# Altium PCB pad_power.PcbDoc
Units mil, origin at the board's own origin, x right, y up, seen from the top; angles counter-clockwise.
Board outline 3937.01 x 3937.01 mil, 2 copper layers (Top Layer, Bottom Layer); 108 components, 54 nets, 270 pads, 169 vias.
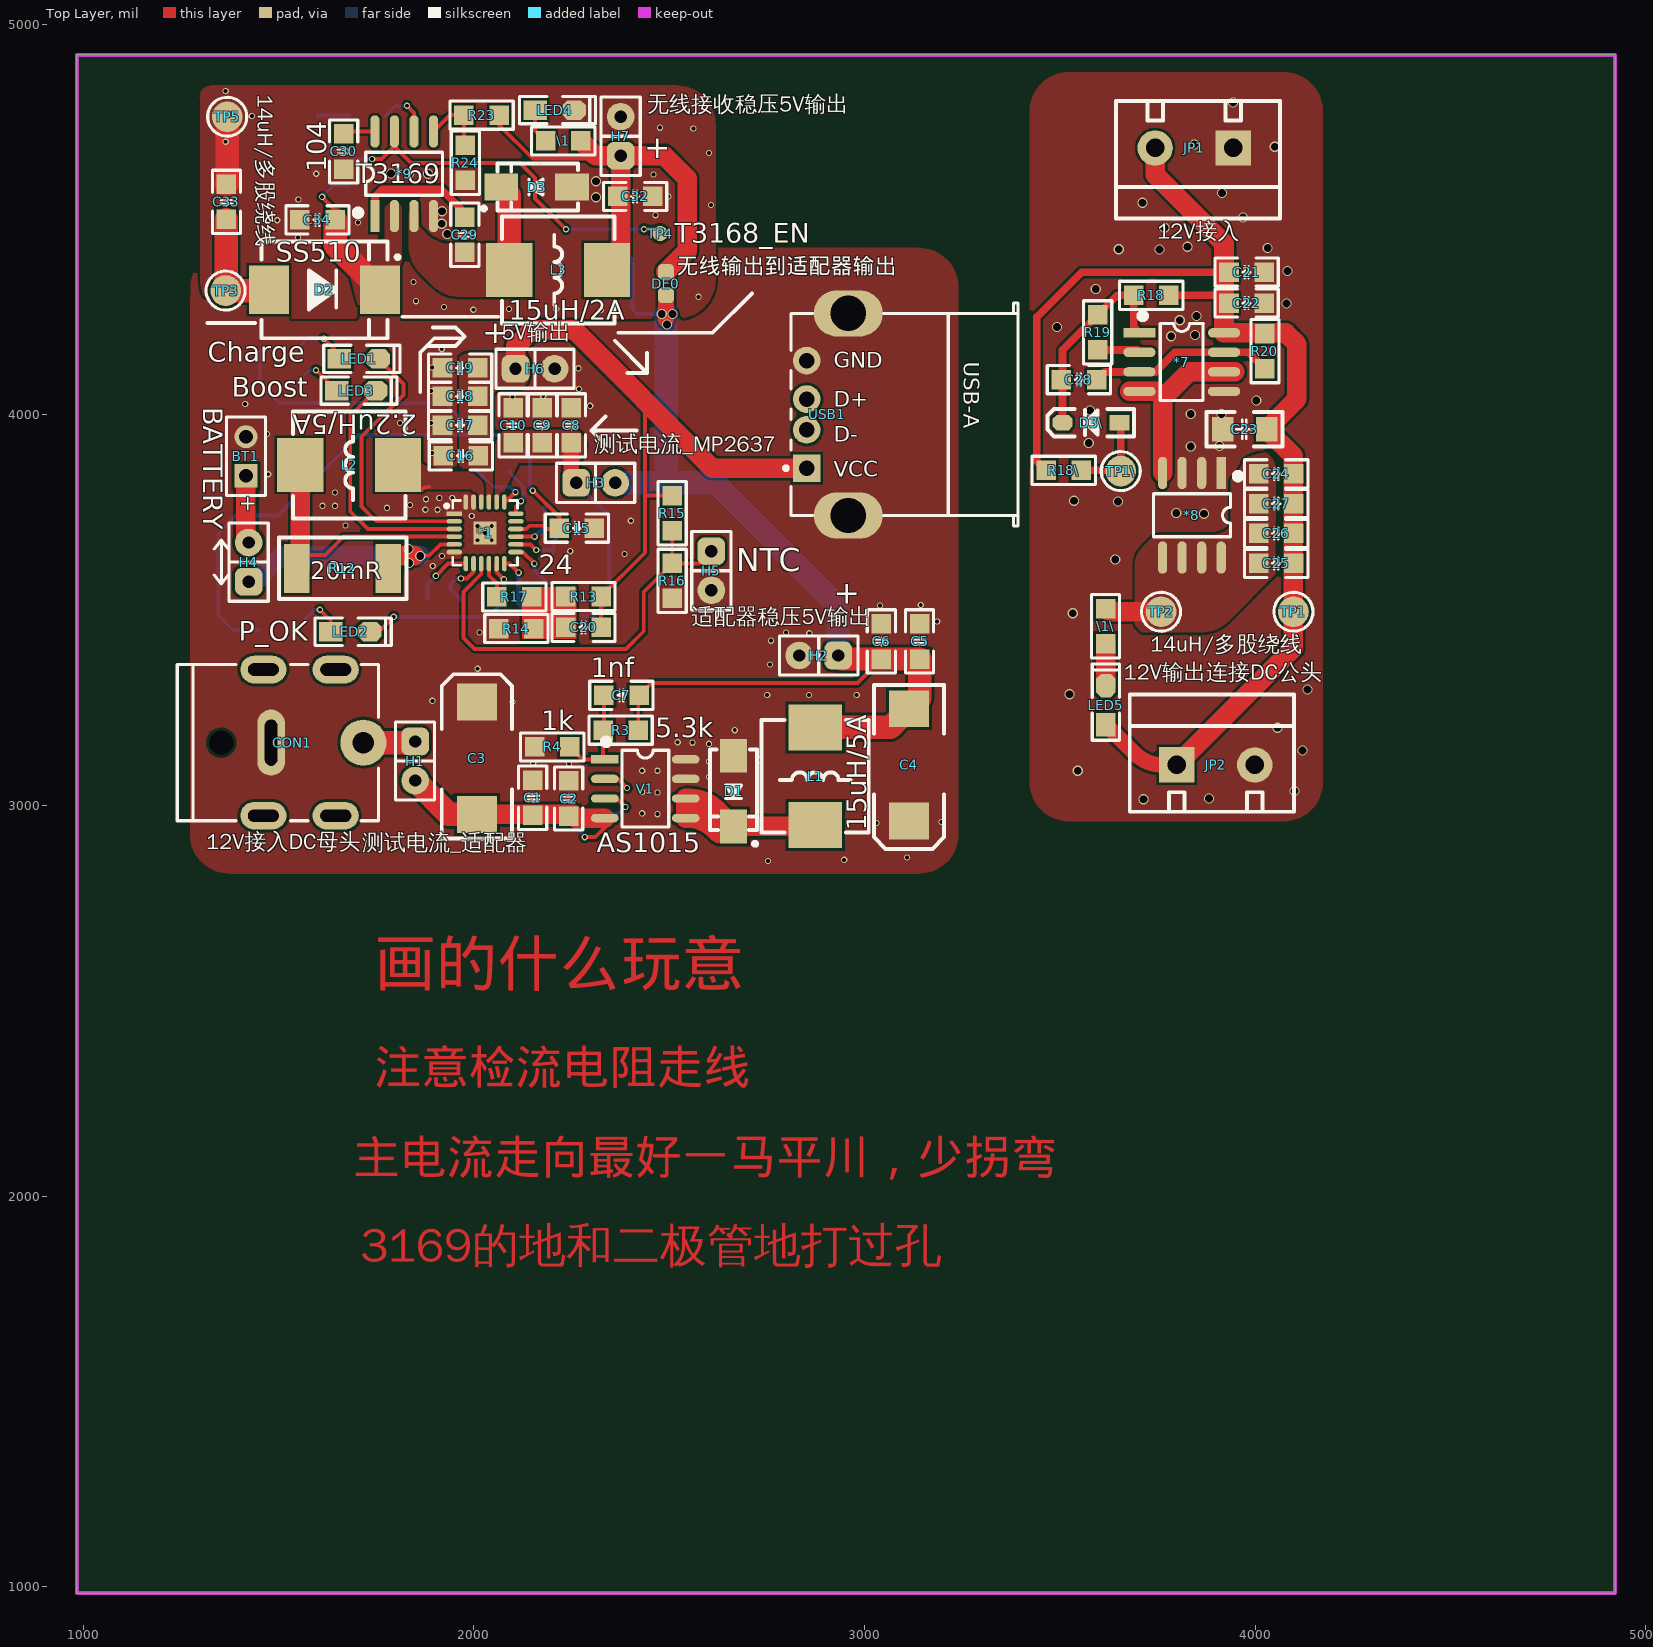
[diagram p0: Top Layer view]
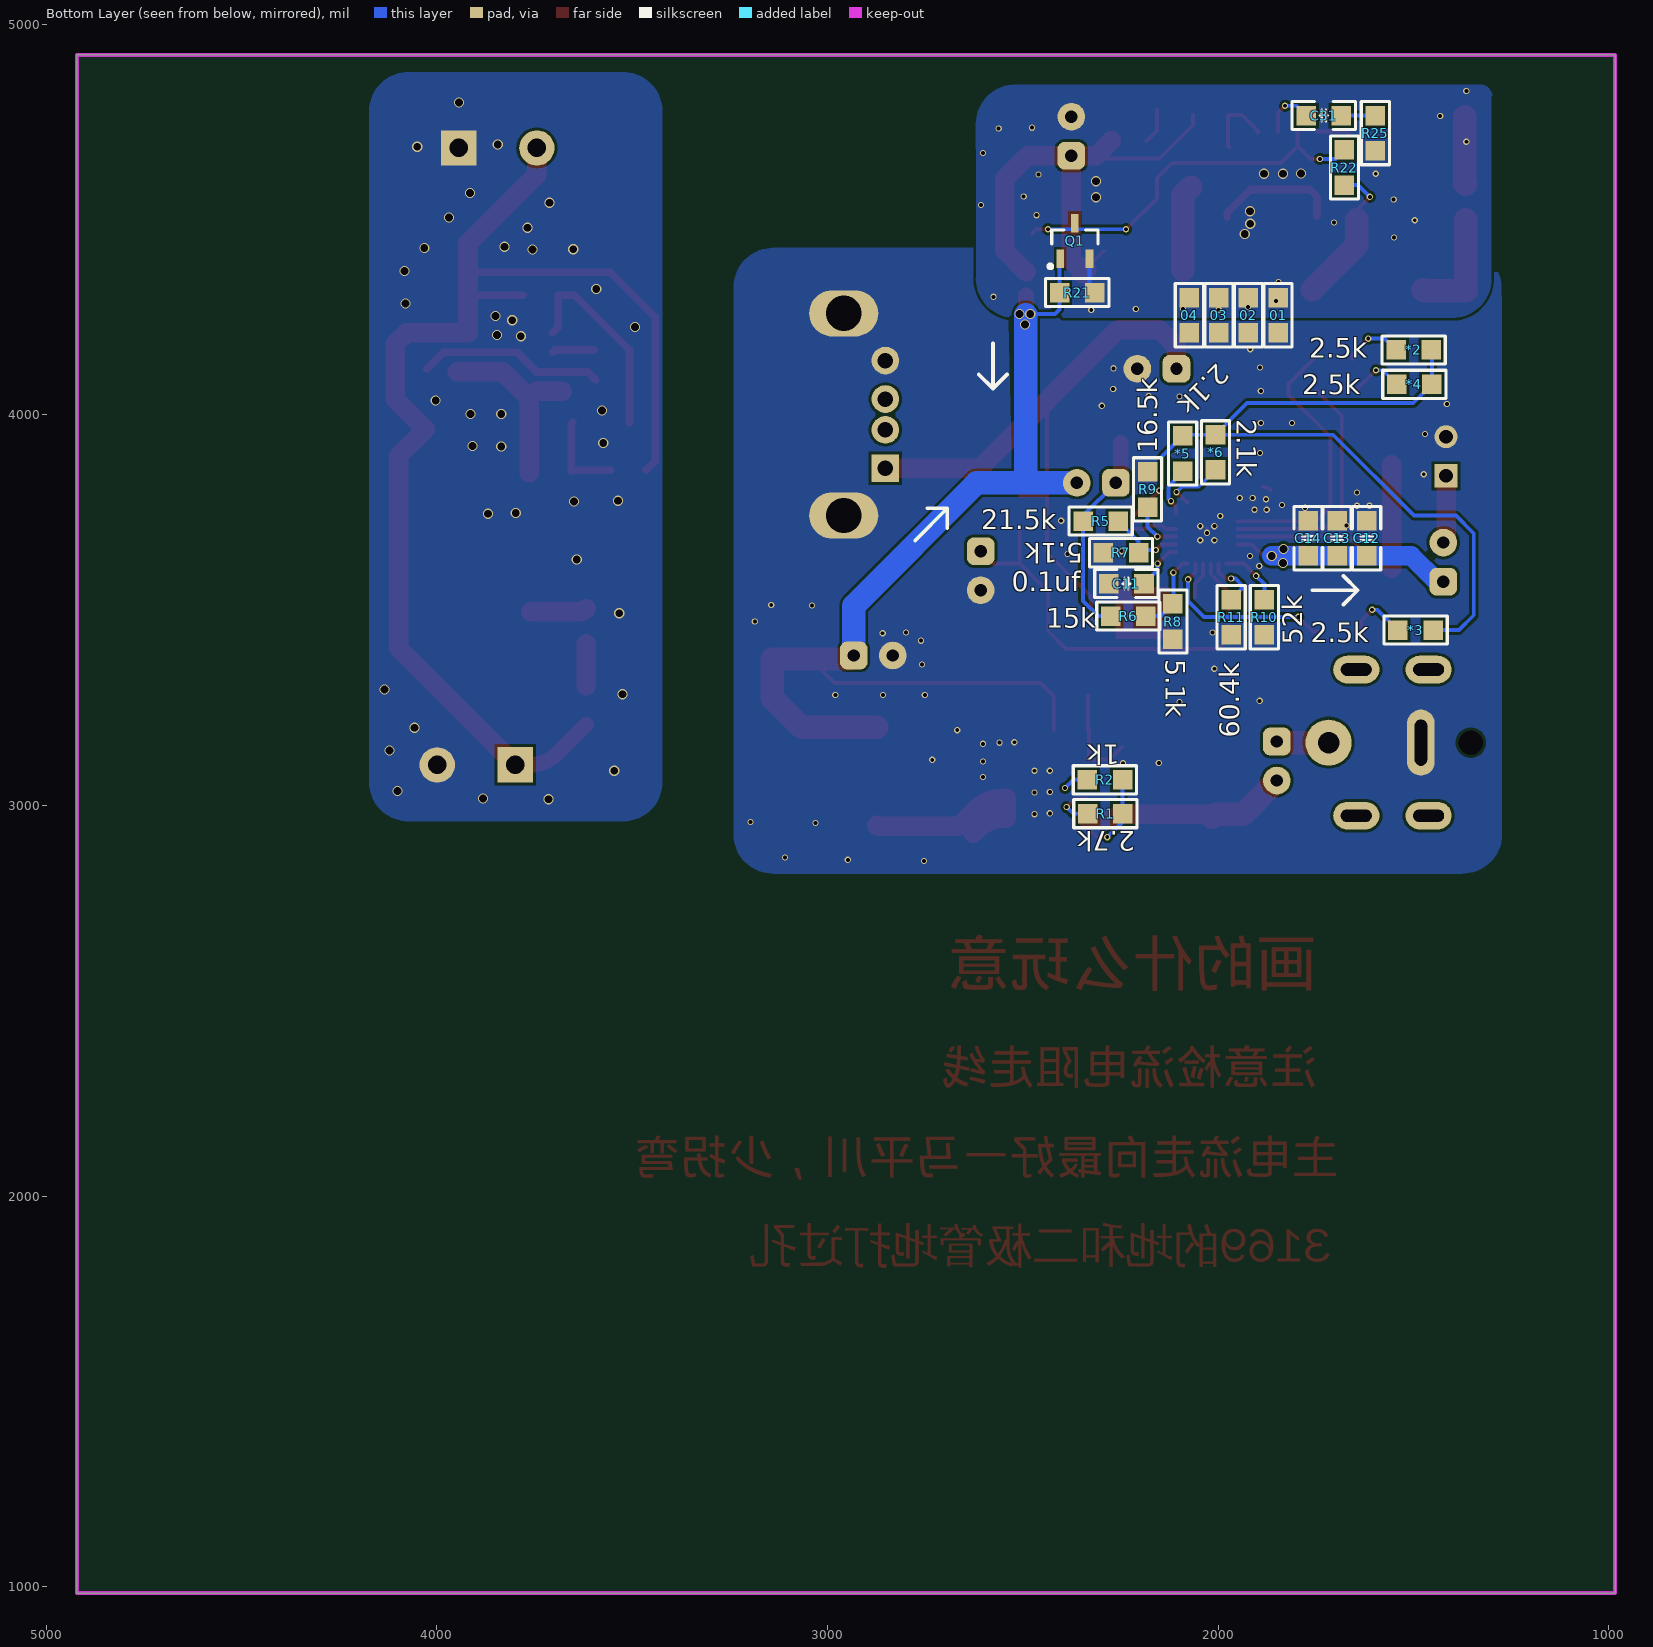
[diagram p1: Bottom Layer view, seen from below]

## Layer stack, top to bottom
Top Layer: signal copper 1.4
Dielectric: dielectric 12.6, FR-4, Dk 4.8
Bottom Layer: signal copper 1.4

## Board outline
984.25,984.25 984.25,4921.26 4921.26,4921.26 4921.26,984.25

## Design rules (kind name [scope] priority, off if disabled: settings)
Clearance [All] p1: gap=7
MinimumSolderMaskSliver [All] p1: minsoldermaskwidth=7
PlaneClearance [All] p1: clearance=10
PlaneConnect [All] p1: planeconnectstyle=Direct reliefexpansion=20 reliefentries=4 reliefconductorwidth=10 reliefairgap=10
PolygonConnect [All] p1: connectstyle=Direct reliefconductorwidth=10 reliefentries=4 polygonreliefangle="90 Angle"
RoutingVias [All] p1: holewidth=196.85 width=19.68 viastyle="Through Hole" minholewidth=10 minwidth=16 maxholewidth=118.11 maxwidth=19.68
SilkToSilkClearance [All] p1 off: silktosilkclearance=10
SilkscreenOverComponentPads [All] p1: minsilkscreentomaskgap=10
SolderMaskExpansion [All] p1: expansion=7
Width [All] p1: maxlimit=100 minlimit=10 preferedwidth=10
23 further rules are at their usual default settings.

## Classes and differential pairs
component class 无线接收端: 01 02 03 04 *9 \1 C29 C30 C31 C32 C33 C34 D2 D3 DE0 H7 L3 LED4 Q1 R21 R22 R23 R24 R25 TP3 TP4 TP5
component class MP2637: *1 *2 *3 *4 *5 *6 BT1 C1 C2 C3 C4 C5 C6 C7 C8 C9 C10 C11 C12 C13 C14 C15 C16 C17 C18 C19 C20 CON1 D1 H1 H2 H3 H4 H5 H6 L1 L2 LED1 LED2 LED3 R1 R2 R3 R4 R5 R6 R7 R8 R9 R10 R11 R12 R13 R14 R15 R16 R17 USB1 V1
component class 12V适配器部分_无线发射端: *7 *8 \1\ C21 C22 C23 C24 C25 C26 C27 C28 D3\ JP1 JP2 LED5 R18 R18\ R19 R20 TP1 TP1\ TP2

## Components (designator, comment, footprint, x,y, rotation, side; value= is the part's Value field where it differs from the comment)
01 "0R" "R 0805_M" 1847,4255 r270 bottom
02 "0R" "R 0805_M" 1922.67,4255 r270 bottom
03 "0R" "R 0805_M" 1998.33,4255 r270 bottom
04 "0R" "R 0805_M" 2074,4255 r270 bottom
*1 "24" "QFN24 4X4_M" 2029,3698 r270 top
*2 "2.5k" "R 0805_M" 1500,4166 r180 bottom
*3 "2.5k" "R 0805_M" 1495,3449 r180 bottom
*4 "2.5k" "R 0805_M" 1498,4078 r180 bottom
*5 "2.1k" "R 0805_M" 2091,3901 r270 bottom
*6 "2.1k" "R 0805_M" 2007,3904 r270 bottom
*7 "XKT412" SOP8_M 3812,4135 r0 top
*8 "XKT335" SOP8_M 3838,3743 r270 top
*9 "T3169" SOP8_M 1822,4617 r90 top
\1 "1k" "R 0805_M" 2229,4701 r0 top
\1\ "3.3k" "R 0805_M" 3617,3459 r270 top
BT1 "BATTERY" BAT-2 1417,3894 r90 top
C1 "10uf" "C 0805_M" 2151,3020 r270 top
C2 "0.1uf" "C 0805_M" 2243,3018 r270 top
C3 "220uf/16V typeD" "CD D(7343)" 2008,3121 r270 top
C4 "220uf/16V" "CD D(7343)" 3114,3104 r90 top
C5 "10uf" "C 0805_M" 3141,3420 r270 top
C6 "0.1uf" "C 0805_M" 3043,3420 r270 top
C7 "1nf" "C 0805_M" 2378,3282 r180 top
C8 "22uf" "C 0805_M" 2250,3973 r270 top
C9 "22uf" "C 0805_M" 2175.5,3973 r270 top
C10 "10uf" "C 0805_M" 2101,3973 r270 top
C11 "0.1uf" "C 0805_M" 2235,3568 r180 bottom
C12 "22uf" "C 0805_M" 1620,3684 r270 bottom
C13 "22uf" "C 0805_M" 1696,3684 r270 bottom
C14 "10uf" "C 0805_M" 1770,3684 r270 bottom
C15 "47nf" "C 0805_M" 2264,3710 r180 top
C16 "10uf" "C 0805_M" 1967,3895 r0 top
C17 "22uf" "C 0805_M" 1965,3973 r0 top
C18 "22uf" "C 0805_M" 1965,4047 r0 top
C19 "0.1uf" "C 0805_M" 1965,4120 r0 top
C20 "120pf" "C 0805_M" 2281,3456 r180 top
C21 "10uf" "C 0805_M" 3978,4365 r180 top
C22 "0.1uf" "C 0805_M" 3978,4286 r180 top
C23 "47uf/16V" "C 1206_L" 3972,3963 r0 top
C24 "393" "C 0805_M" 4054,3849 r0 top
C25 "393" "C 0805_M" 4054,3620 r0 top
C26 "393" "C 0805_M" 4054,3696.33 r0 top
C27 "393" "C 0805_M" 4054,3772.67 r0 top
C28 "1nf" "C 0805_M" 3549,4090 r180 top
C29 "10NF" "C 0805_M" 1977,4461 r90 top
C30 "104" "C 0805_M" 1667,4674 r90 top
C31 "3.3NF" "C 0805_M" 1730,4766 r0 bottom
C32 "22ufF/25V" "C 0805_M" 2413,4559 r180 top
C33 "39NF/50VNPO" "C 0805_M" 1367,4545 r270 top
C34 "10uF/25V" "C 0805_M" 1600,4499 r0 top
CON1 "12V接入DC母头" DC-005P 1501,3161 r270 top
D1 "SS34" SMA 2665,3037 r270 top
D2 "SS510" SMC 1618,4320 r0 top
D3 "SS34" SMA 2161,4583 r180 top
D3\ "4148" SOD-123F 3580,3980 r180 top
DE0 "无线输出到适配器输出" DEBUG_B 2492,4336 r270 top
H1 "测试电流_适配器" PAD2-2.54 1850,3164 r270 top
H2 "适配器稳压5V输出" PAD2-2.54 2933,3384 r180 top
H3 "测试电流_MP2637" PAD2-2.54 2262,3826 r0 top
H4 "测试充电电流" PAD2-2.54 1424,3573 r90 top
H5 "NTC:NCP18XH103" PAD2-2.54 2608,3651 r270 top
H6 "5V输出" PAD2-2.54 2107,4118 r0 top
H7 "无线接收稳压5V输出" PAD2-2.54 2376,4663 r90 top
JP1 "12V接入" KF301-5.0-2P 3744,4683 r180 top
JP2 "12V输出连接DC公头" KF301-5.0-2P 3999,3104 r0 top
L1 "15uH/5A" L-SMD-0630 2874,3075 r90 top
L2 "2.2uH/5A" L-SMD-0630 1681,3872 r180 top
L3 "15uH/2A" L-SMD-0630 2216,4371 r0 top
LED1 "Charge" "LED 0805G" 1706,4143 r0 top
LED2 "P_OK" "LED 0805G" 1684,3445 r0 top
LED3 "Boost" "LED 0805G" 1699,4062 r0 top
LED4 "WireLess_on" "LED 0805G" 2207,4780 r0 top
LED5 "WireLess_on" "LED 0805G" 3618,3257 r90 top
Q1 "SI2302" SOT23-3N 2367,4445 r180 bottom
R1 "2.7k" "R 0805_M" 2289,2979 r0 bottom
R2 "1k" "R 0805_M" 2290,3066 r0 bottom
R3 "5.3k" "R 0805_M" 2376,3193 r180 top
R4 "1k" "R 0805_M" 2201,3150 r180 top
R5 "21.5k" "R 0805_M" 2301,3728 r180 bottom
R6 "15k" "R 0805_M" 2230,3485 r180 bottom
R7 "5.1k" "R 0805_M" 2249,3647 r0 bottom
R8 "5.1k" "R 0805_M" 2116,3471 r270 bottom
R9 "16.5k" "R 0805_M" 2181,3809 r90 bottom
R10 "52k" "R 0805_M" 1882,3482 r90 bottom
R11 "60.4k" "R 0805_M" 1967,3482 r90 bottom
R12 "20mR" "R 2512-HP_L" 1663,3607 r0 top
R13 "31.6k" "R 0805_M" 2281,3535 r180 top
R14 "10k" "R 0805_M" 2109,3453 r180 top
R15 "6.65k" "R 0805_M" 2508,3748 r270 top
R16 "25.5k" "R 0805_M" 2508,3575 r270 top
R17 "0R" "R 0805_M" 2104,3534 r0 top
R18 "47k" "R 0805_M" 3734,4306 r180 top
R18\ "10k" "R 0805_M" 3510,3858 r0 top
R19 "7.87k" "R 0805_M" 3597,4211 r270 top
R20 "47k" "R 0805_M" 4025,4163 r270 top
R21 "10k" "R 0805_M" 2361,4313 r180 bottom
R22 "100k" "R 0805_M" 1677,4633 r270 bottom
R23 "44.2k" "R 0805_M" 2020,4767 r180 top
R24 "10k" "R 0805_M" 1978.5,4645 r270 top
R25 "6.8k" "R 0805_M" 1598,4721 r90 bottom
TP1 "14uH/多股绕线" "TEST 2.0" 4098,3496 r90 top
TP1\ "失效" "TEST 2.0" 3656,3856 r90 top
TP2 "14uH/多股绕线" "TEST 2.0" 3759,3496 r0 top
TP3 "14uH/多股绕线" "TEST 2.0" 1365,4318 r90 top
TP4 "T3168_EN" "TEST 1" 2477,4464 r90 top
TP5 "14uH/多股绕线" "TEST 2.0" 1369,4763 r270 top
USB1 "USB" USB-A/S_A 2852,4001 r0 top
V1 "AS1015" SOP8_N 2439,3043 r0 top

## Footprints (in the part's own frame and the unit in brackets; to place one, negate y for a bottom-side part, rotate by r counter-clockwise, add the part's x,y. Pads: shape width x height; smd on the part's side, far side on the other; paste and mask are expansions set on the pad)
BAT-2 [mm] "Multicell Battery; 2 Leads"
  rect 1.5x1.5 hole 0.9: 1(-1.27,0)
  round 1.5 hole 0.9: 2(1.27,0)
  silkscreen extent -2.54,-1.27 2.54,1.27
"C 0805_M" [mil]
  rect 50x50 smd: 1(-45,0) 2(45,0)
  silkscreen extent -81,-36 81,36, body extent -39,-24 39,24, height 20
"C 1206_L" [mil]
  rect 55x62 smd: 1(-55.12,0) 2(57.09,0)
  silkscreen extent -96,-44 98,44, body extent -63,-32 63,32, height 48
"CD D(7343)" [mm]
  rect 2.4x2.6 smd: 1(-3.65,0) 2(3.65,0)
  silkscreen extent -5.46,-2.29 5.21,2.29, body extent -3.65,-2.15 3.65,2.15, height 2.8
DC-005P [mm]
  oval 1.8x3 hole 0.8 slot 2 at 90 deg unplated: 0(-4.75,3.7) 0(-4.75,-1) 0(4.75,3.7) 0(4.75,-1)
  round 3 hole 1.4 unplated: 1(0,5.5)
  oval 4.3x1.8 hole 0.8 slot 3 at 0 deg unplated: 2(0,-0.5)
  round 0 hole 1.6 unplated: 4(0,-3.75)
  silkscreen extent -5.08,-6.6 5.08,6.48, body extent -5,-6.5 5,6.3, height 10.15
DEBUG_B [mil]
  rrect50% 40x40 smd paste+0 mask+0: 1(-30,0) 2(30,0)
KF301-5.0-2P [mm]
  rect 2.3x2.3 hole 1.2: 1(-5.08,0)
  round 2.3 hole 1.2: 2(0,0)
  silkscreen extent -8.13,-3.05 2.54,4.57, body extent -7.95,-3 2.55,4.6, height 10.05
L-SMD-0630 [mm]
  rect 3x3.5 smd: 1(-3.175,0) 2(3.175,0)
  silkscreen extent -3.66,-3.48 3.66,3.48, body extent -3.47,-3.3 3.47,3.3, height 3.05
"LED 0805G" [mil]
  rect 60x50 smd: 1(-50,0)
  oct 60x50 smd: 2(50,0)
  silkscreen extent -90,-35 105,35, body extent -39,-25 39,25, height 32
PAD2-2.54 [mm]
  rrect50% 1.8x1.8 hole 0.8: 1(0,0)
  round 1.8 hole 0.8: 2(2.54,0)
  silkscreen extent -1.27,-1.27 3.81,1.27
"QFN24 4X4_M" [mm] "24脚，长"
  rect 0.3x1 smd: 1(-1.25,-2)
  oval 0.3x1 smd: 2(-0.75,-2) 3(-0.25,-2) 4(0.25,-2) 5(0.75,-2) 6(1.25,-2) 13(1.25,2) 14(0.75,2) 15(0.25,2) 16(-0.25,2) 17(-0.75,2) 18(-1.25,2)
  oval 1x0.3 smd: 7(2,-1.25) 8(2,-0.75) 9(2,-0.25) 10(2,0.25) 11(2,0.75) 12(2,1.25) 19(-2,1.25) 20(-2,0.75) 21(-2,0.25) 22(-2,-0.25) 23(-2,-0.75) 24(-2,-1.25)
  rect 1.5x1.5 smd: 25(0,0)
  silkscreen extent -2.11,-2.6 2.11,2.11, body extent -2.01,-2.01 2.01,2.01, height 0.95
"R 0805_M" [mil]
  rect 50x50 smd: 1(-45,0) 2(45,0)
  silkscreen extent -81,-36 81,36, body extent -39,-25 39,25, height 20
"R 2512-HP_L" [mm]
  rect 1.65x3.2 smd: 1(-2.95,0) 2(3,0)
  silkscreen extent -4.1,-2 4.2,2, body extent -3.2,-1.6 3.2,1.6, height 0.55
SMA [mm]
  rect 2.2x1.75 smd: 1(-2.3,0) 2(2.3,0)
  silkscreen extent -2.7,-1.52 3.56,1.52, body extent -2.53,-1.3 2.58,1.3, height 2.15
SMC [mm]
  rect 2.6x3.15 smd: 1(-3.6,0) 2(3.6,0)
  silkscreen extent -4.1,-3.15 4.88,3.15, body extent -3.95,-2.9 3.95,2.9, height 2.45
SOD-123F [mm]
  rect 1.3x1 smd: 1(-1.85,0)
  oct 1.3x1 smd: 2(1.85,0)
  silkscreen extent -2.79,-0.89 2.84,0.89, body extent -1.9,-0.8 1.9,0.8, height 1.15
SOP8_M [mm]
  rect 2.1x0.6 smd: 1(-2.75,1.905)
  oval 2.1x0.6 smd: 2(-2.75,0.635) 3(-2.75,-0.635) 4(-2.75,-1.905) 5(2.75,-1.905) 6(2.75,-0.635) 7(2.75,0.635) 8(2.75,1.905)
  silkscreen extent -2.69,-2.5 1.4,3.15, body extent -3,-2.5 3,2.5, height 1.9
SOP8_N [mm]
  rect 1.8x0.55 smd: 1(-2.625,1.905)
  oval 1.8x0.55 smd: 2(-2.625,0.635) 3(-2.625,-0.635) 4(-2.625,-1.905) 5(2.625,-1.905) 6(2.625,-0.635) 7(2.625,0.635) 8(2.625,1.905)
  silkscreen extent -2.69,-2.5 1.52,3.2, body extent -3,-2.5 3,2.5, height 1.9
SOT23-3N [mm]
  rect 0.5x1.2 smd: 1(-0.95,-1.143) 2(0.95,-1.143) 3(0,1.143)
  silkscreen extent -1.73,-1.78 1.5,0.7, body extent -1.5,-1.2 1.5,1.2, height 1.05
"TEST 1" [mm]
  round 1 smd paste-1: 1(0,0)
"TEST 2.0" [mm]
  round 2 smd paste-2: 1(0,0)
  silkscreen extent -1.27,-1.27 1.27,1.27
USB-A/S_A [mm]
  rect 1.8x1.8 hole 1: 1(0,-3.5)
  round 1.8 hole 1: 2(0,-1) 3(0,1) 4(0,3.5)
  oval 4.5x3 hole 2.3: 4(2.71,-6.57) 4(2.71,6.57)
  silkscreen extent -1.47,-7.25 13.75,7.25, body extent -0.61,-7.34 13.7,7.34, height 6.8

## Part data
BT1: "Multicell Battery"
LED1 LED2 LED3: library part LED-SMD, "贴片"

## Free pads (board coordinates)
  round 50 on Top Solder paste+0 mask+0: ""(2557,4070)
  oct 35x35 on Top Solder paste+0 mask+2: ""(2582,4136)
  oct 35x35 on Top Solder mask+2: ""(2643,4151)

## Via types
v1: diameter 16, hole 10, Top Layer to Bottom Layer, tented both sides, 115 vias
v2: diameter 26, hole 20, Top Layer to Bottom Layer, tented both sides, 54 vias

## Nets (pads, with @x,y where several pads share a name; then routed paths per layer and width w, separated by ;. In a path a pad name is that pad's centre, name@x,y a point inside that pad or via, vN(x,y) a via of type N, cw(c..) or ccw(c..) an arc to the next point about the centre after c; other vN are vias at no path point)
ACOK: *1.11 LED2.2 | length 478.6
  Top Layer w10: LED2.2 1757,3445 v1(1795,3483) ; *1.11 2058.53,3597.47 v1(2077,3579)
  Bottom Layer w10: v1(1795,3483) 2036,3483 2077,3524 v1(2077,3579)
ADAPTER_GND: *7.5 *8.1 *8.2 *8.3 C21.1 C22.1 C23.1 JP1.1 JP2.2
  other v2: 3714,3016 3882,3018 4101,3037 3546,3089 4121,3141 4057,3199 3525,3285 4134,3297 3533,3492 3642,3630 3869,3747 3798,3749 3649,3778 3536,3780 3835,3919 3909,3920 3574,3928 3835,4002 3914,4002 3577,4011 4003,4037 3785,4201 3846,4204 3493,4225 3807,4242 3850,4253 4080,4285 3592,4322 4083,4368 3755,4423 3651,4424 4032,4427 3827,4430 3768,4479 3969,4505 3712,4543 3915,4568 4050,4686 3844,4692 3943,4799
AGND: 01.2 02.2 03.2 04.2 *1.1 *1.6 *1.23 *1.24 *1.25 BT1.2 C1.1 C2.1 C3.1 C4.1 C5.1 C6.1 C8.1 C9.1 C10.1 C11.1 C12.1 C13.1 C14.1 C15.1 C16.1 C17.1 C18.1 C19.1 CON1.2 D1.1 H2.2 H5.2 H6.2 R4.2 R7.2 R8.2 R9.2 R10.1 R11.1 R14.2 R16.2 USB1.4 V1.7 V1.8 | length 11
  Top Layer w10: v1(2029,3698) *1.25@2029,3709
  other v1: 2753,2858 2948,2861 3109,2867 3031,2955 3197,2958 2470,2978 2431,2980 2431,3034.5 2470,3033.5 2602,3073 2431,3089 2470,3089 2244,3108 2152,3109 2602,3113 2732,3117 2602,3158 2560,3161 2522,3162 2668,3193 2099,3265 1894,3268 2751,3283 2858,3283 2980,3283 2010,3350 2758,3361 2761,3422 2859,3441 2015,3443 2799,3443 3186,3471 3040,3512 3144,3513 1895,3613 1919,3639 2386,3644 2247,3651 2010,3679 2046,3679 2010,3715 2046,3715 1672,3717 2402,3729 1995,3741 1876,3757 1907,3757 1778,3762 1613,3767 1645,3767 1837,3769 1878,3784 1912,3787 1945,3787 1645,3801 1474,3848 1893,3902 1471,3951 1811,3979 1891,3979 2298,4023 1415,4028 2099,4047 2178,4048 1891,4061 2269,4066 2268,4119 1893,4121 1918,4168
BATT: *1.5 C12.2 C13.2 C14.2 H4.1 R12.2 | length 647.5
  Top Layer w10: 1848,3640 1886,3640 1914.47,3668.47 *1.5
  Top Layer w50: R12.2@1781.11,3641 1845.59,3641 cw(c1845.59,3637.59) 1848,3640
  Bottom Layer w50: H4.1 1440,3573 1506,3639 C12.2 v2(1863,3639)
  other v2: 1834,3621 1833,3657
BOOST: *1.3 LED3.2 | length 620.9
  Top Layer w10: LED3.2 1684,3997 1684,3753 1729.16,3707.84 *1.3
CHG: *1.2 LED1.2 | length 701.6
  Top Layer w10: LED1.2 1820,4079 1820,4051 1713,3944 1713,3765 1750.47,3727.53 *1.2
CSP: *1.4 L2.2 R12.1 | length 712.5
  Top Layer w10: R12.1@1546.86,3641 1620,3641 1667.16,3688.16 *1.4
  Top Layer w50: R12.1@1546.86,3641 ccw(c1524.78,3663.08) R12.1@1556,3663.08 ; R12.1@1556,3607 L2.2
EN: *1.18 *5.2 | length 131.7
  Top Layer w10: *1.18 2107.74,3765.74 v1(2121,3779)
  Bottom Layer w10: *5.2 2091,3852.28 2127,3816.28 2127,3785 v1(2121,3779)
FB: *1.10 R17.1 | length 93.6
  Top Layer w10: *1.10 2038.84,3588.16 2059,3568 R17.1
FT: *7.2 R19.2 | length 109.2
  Top Layer w20: R19.2 3697.73,4166 *7.2
ILIM: *1.15 R9.1 | length 134.4
  Top Layer w10: *1.15 v1(2155.84,3688.16)
  Bottom Layer w10: v1(2155.84,3688.16) 2181,3713.32 R9.1
ISET: *1.8 R11.2 | length 143.9
  Top Layer w10: v1(1967,3581) 1983,3581 1999.47,3597.47 *1.8
  Bottom Layer w10: R11.2 1940,3554 1940,3565 1956,3581 v1(1967,3581)
MFA: *7.3 *7.7 C28.1 R20.2 | length 477.4
  Top Layer w20: C28.1 3614,4110 *7.3 3745,4110 3795,4160 *7.7 3983,4160 R20.2
MODE: *1.19 *6.2 | length 162.9
  Top Layer w10: *1.19 2081.74,3776.74 v1(2107,3802)
  Bottom Layer w10: *6.2 2050,3816 2093,3816 v1(2107,3802)
Net*2_1: *2.1 LED1.1 | length 151.6
  Top Layer w10: v1(1616,4195) 1656,4155 LED1.1
  Bottom Layer w10: *2.1 1574,4195 v1(1616,4195)
Net*3_1: *3.1 LED2.1 | length 162.2
  Top Layer w10: v1(1606,3501) 1634,3473 LED2.1 LED2.1@1629,3440
  Bottom Layer w10: *3.1 1592,3501 v1(1606,3501)
Net*4_1: *4.1 LED3.1 | length 142.5
  Top Layer w10: v1(1596,4114) 1597,4114 LED3.1
  Bottom Layer w10: *4.1 1579,4114 v1(1596,4114)
Net*8_5: *8.5 *8.6 *8.7 *8.8 \1\.1 C24.1 C25.1 C26.1 C27.1 TP2.1 | length 144.1
  Top Layer w50: \1\.1 ccw(c3636.31,3523.31) 3636.31,3496 TP2.1
Net*9_1: *9.1 C29.2 | length 323
  Top Layer w20: *9.1 1747,4558 1766,4577 1917,4577 1977,4517 C29.2
Net*9_2: *9.2 C34.2 D2.2 R22.2 | length 376.6
  Top Layer w10: v1(1612,4558) 1645,4525 C34.2
  Top Layer w60: C34.2 1645,4434.73 D2.2
  Bottom Layer w10: v1(1612,4558) 1642,4588 R22.2
Net*9_3: *9.3 C29.1 D3.2 L3.1 | length 220.5
  Top Layer w60: D3.2 2091,4562.45 L3.1
Net*9_5: *9.5 R23.2 R24.1 | length 181.7
  Top Layer w10: *9.5@1899.27,4723 *9.5 1938.73,4767 R23.2 1975,4688 R24.1@1972,4685
Net*9_6: *9.6 C31.2 | length 137.5
  Top Layer w10: v1(1829,4791) 1847,4773 *9.6
  Bottom Layer w10: C31.2 1800,4791 v1(1829,4791)
Net*9_8: *9.8 C30.2 | length 82.6
  Top Layer w10: C30.2 1673.27,4725.27 *9.8
Net\1\_2: \1\.2 LED5.2 | length 107.3
  Top Layer w50: \1\.2 3617,3309.41 ccw(c3620.41,3309.41) LED5.2
Net\1_1: \1.1 LED4.1 | length 90.2
  Top Layer w10: LED4.1 2157,4728 \1.1
NetBT1_1: BT1.1 H4.2 | length 173.9
  Top Layer w50: BT1.1 1417,3680 H4.2
NetC1_2: C1.2 C2.2 C3.2 H1.2 R1.1 R2.1 V1.4 | length 787.9
  Top Layer w10: v1(2284,2919) 2311,2919 2335.65,2943.65 V1.4
  Top Layer w50: C3.2@2010.13,2975.17 C3.2 2253.7,2977.3 2263,2968 V1.4
  Top Layer w60: H1.2 1936.7,2977.3 C3.2 C3.2@2015.13,2970.17
  Bottom Layer w10: R2.1 2245,2958 v1(2284,2919)
NetC7_2: C7.2 R3.2 R4.1 V1.1 | length 269.7
  Top Layer w10: R4.1 2278,3118 V1.1 2331,3122.65 R3.2 2333,3195 C7.2
NetC20_2: C20.2 R13.2 R14.1 R17.2
NetC31_1: C31.1 R25.2 | length 87
  Bottom Layer w10: R25.2 C31.1
NetC33_2: C33.2 D2.1 TP3.1 | length 294.9
  Top Layer w60: C33.2 1367,4320 TP3.1 1474.27,4318 D2.1
NetCON1_1: CON1.1 H1.1 | length 133.7
  Top Layer w60: CON1.1 1847,3161 H1.1
NetD1_2: D1.2 L1.1 V1.5 V1.6 | length 504.4
  Top Layer w50: 2627,2929 2617.29,2938.71 ccw(c2546.58,2868) 2546.58,2968 V1.5 V1.6 2552.03,3018 cw(c2552.03,2918) 2622.74,2988.71 D1.2 2865.43,2946.45 ccw(c2865.43,2958.57) L1.1
NetD3\_1: D3\.1 R18\.2 TP1\.1 | length 227.1
  Top Layer w20: R18\.2 3654,3858 TP1\.1 3656,3976.83 D3\.1
NetR1_2: R1.2 V1.3 | length 122.5
  Top Layer w10: V1.3 2366,3018 v1(2388,2996)
  Bottom Layer w10: R1.2 2371,2979 v1(2388,2996)
NetR2_2: R2.2 V1.2 | length 131.6
  Top Layer w10: V1.2 2369,3068 v1(2392,3045)
  Bottom Layer w10: R2.2 2371,3066 v1(2392,3045)
NTC: *1.9 H5.1 R15.2 R16.1 | length 1100.3
  Top Layer w10: *1.9 2019.16,3592.16 1974,3547 1974,3429 2002,3401 2390,3401 2435,3446 2435,3547 R16.1 ; R15.2 R16.1 ; H5.1 2577,3620 R16.1
OLIM: *1.7 R10.2 | length 159.4
  Top Layer w10: v1(1903,3588) 1934.26,3619.26 *1.7
  Bottom Layer w10: R10.2 1882,3567 v1(1903,3588)
OUT: *7.4 *7.6 *8.4 | length 469.9
  Top Layer w50: *7.4@3679,4060 *7.4@3745,4060 ; *8.4 3763,4042 3831,4110 *7.6@3948,4110
PWIN: *1.14 R5.2 R7.1 | length 207.7
  Top Layer w10: *1.14 2145.53,3668.47 v1(2160,3654)
  Bottom Layer w10: v1(2160,3654) 2197,3654 R7.1 2204,3676 R5.2
REG: *1.12 R6.2 R8.1 | length 208.3
  Top Layer w10: *1.12 2091.74,3619.26 v1(2115,3596)
  Bottom Layer w10: R8.1@2115,3516 v1(2115,3596) ; R8.1 2147,3485 R6.2
SW: *1.22 L2.1 | length 21.5
  Top Layer w10: 1866,3808 cw(c1885.31,3788.69) 1885.31,3816
SYS: *1.21 C16.2 C17.2 C18.2 C19.2 C20.1 H6.1 R13.1 R15.1 USB1.1 | length 1921
  Top Layer w10: 2256,4218 2438,4036 2438,3794 ; C20.1 R13.1 2438,3647 2438,3794 ; R15.1 2507,3794 2438,3794
  Top Layer w50: H6.1 2107,4175 2150,4218 2256,4218 2610.8,3863.2 USB1.1
T3168_EN: *9.7 Q1.3 R22.1 TP4.1 | length 984.3
  Top Layer w10: v1(1740,4655) 1764,4655 *9.7@1797,4688 ; *9.7 *9.7@1797,4688 ; v1(2236,4475) 2157,4554 2157,4606 2118,4645 1839,4645 1797,4687 *9.7@1797,4688 ; v1(2436,4475) 2466,4475 TP4.1
  Bottom Layer w10: R22.1 1700,4655 v1(1740,4655) ; v1(2236,4475) v1(2436,4475)
TMR: *1.13 C11.2 | length 125.1
  Top Layer w10: *1.13 2125.21,3648.79 v1(2155,3619)
  Bottom Layer w10: v1(2155,3619) 2155,3603 C11.2
VB: *1.17
VCC: *1.16 *2.2 *3.2 *4.2 *5.1 *6.1 C15.2 | length 2283.7
  Top Layer w10: *1.16 2134.25,3707.84 2142.41,3716 2179.12,3716 2187.28,3707.84 2213.79,3707.84 ccw(c2213.79,3715.21) C15.2 2219,3738 v1(2151,3806)
  Bottom Layer w10: *3.2 1384,3449 1346,3487 1346,3696 1392,3742 1499,3742 1706,3949 *6.1 ; *2.2 1453,4164 *4.2 1501,4030 1926,4030 *6.1 ; v1(2151,3806) 2144,3813 2144,3893 *5.1 2088,3949 *6.1
VD: *7.1 C28.2 D3\.2 R18.2 R19.1 | length 528
  Top Layer w20: D3\.2 3507.17,4166.17 R19.1 3647,4306 R18.2 3689,4224.73 *7.1
VDD: *7.8 C21.2 C22.2 C23.2 C24.2 C25.2 C26.2 C27.2 JP1.2 JP2.1 LED5.1 R18.1 R18\.1 R20.1 TP1.1 | length 3329.6
  Top Layer w20: R18\.1 3441,3882 3441,4250 3556,4365 3920.27,4365 C21.2 ; R18.1 3913,4306 3920.27,4298.73 C22.2
  Top Layer w40: LED5.1 3691.71,3133.29 ccw(c3762.42,3204) 3762.42,3104 JP2.1
  Top Layer w50: JP1.2 3744,4615 3920.27,4438.73 3920.27,4365 3920.27,4298.73 *7.8 4078,4210 4107,4181 4107,4040.91 C23.2 4098,3894.09 TP1.1 4098,3403 JP2.1
VIN: *1.20 C8.2 C9.2 C10.2 H3.1 R5.1 R6.1 | length 546.1
  Top Layer w40: H3.1@2250,3838 H3.1 cw(c2290.97,3854.97) 2250,3854.97 C8.2
  Bottom Layer w10: H3.1 2346,3742 R5.1 2346,3524 2307,3485 R6.1
WIRELESS_GND: 01.1 02.1 03.1 04.1 *9.4 C30.1 C32.1 C33.1 C34.1 D3.1 H7.2 LED4.2 Q1.2 R21.2 R24.2 R25.1 TP5.1 | length 266.5
  Top Layer w60: C33.1 1369,4592 TP5.1
  Bottom Layer w10: R21.2 2329.6,4326.6 Q1.2
  other v1: 2325,4268 1999,4269 2090,4271 2211,4271 1924,4276 1852,4291 2575,4302 1846,4340 1550,4454 1704,4492 1497,4498 2465,4511 2607,4537 1551,4551 2498,4559 2460,4615 1597,4617 2602,4670 1365,4699 2562,4733 2477,4735 1432,4765 1365,4829
  other v2: 1932,4463 1918,4489 1919,4521 2313,4557 2313,4598 1834,4617 1883,4617 1788,4618
无线稳压输出_5V: \1.2 C32.2 DE0.1 H7.1 L3.2 R23.1 | length 1338.1
  Top Layer w10: R23.1 2065,4742 2151,4656 H7.1@2376,4656 ; L3.2@2293,4419 L3.2 ; C32.2 C32.2@2368,4575
  Top Layer w50: \1.2 2312,4663 H7.1 2488,4663 2546,4605 2546,4420 DE0.1 ; L3.2@2346,4366 2376,4396 H7.1@2376,4656
  Top Layer w60: L3.2 L3.2@2346,4366
适配器稳压输出_5V: C4.2 C5.2 C6.2 C7.1 DE0.2 H2.1 H3.2 L1.2 Q1.1 R3.1 R21.1 | length 3020.4
  Top Layer w10: R3.1 2421,3280 C7.1 2455,3314 2982,3314 C6.2
  Top Layer w40: 2492,4244 DE0.2
  Top Layer w60: L1.2 3066.3,3200 C4.2 3141,3274.7 C5.2 C6.2 2942,3375 H2.1
  Bottom Layer w10: Q1.1 2406,4398.4 R21.1 2406,4270 2418,4258 v2(2481,4258)
  Bottom Layer w60: v2@2493,4256 2493,3826 H3.2 2618,3826 2933,3511 H2.1
  other v2: 2495,4231 2509,4258
pads on no net: CON1.0 CON1.4 USB1.2 USB1.3

## Polygon pours and split planes (outlines as drawn)
AGND on Top Layer "Top Layer-No Net" (solid, pour order 26): 1274,4315 1274,2926 ccw(c1374,2926) 1374,2826 2283,2826 3140,2826 ccw(c3140,2926) 3240,2926 3240,4102 3240,4327 ccw(c3140,4327) 3140,4427 1390,4427 1376,4427 ccw(c1376,4327) 1276,4327 1276,4303
SW on Top Layer "Top Layer-No Net" (solid, pour order 14): 2025,3771 2025,3816.51 ccw(c2004.51,3816.51) 2019,3831 2009.14,3840.86 ccw(c1975,3806.72) 1975,3855 1928.42,3855 cw(c1928.42,3955) 1857.71,3884.29 1854,3888 1844.56,3878.56 ccw(c1882.11,3841) 1829,3841 1829,3840.56 ccw(c1866.56,3840.56) 1840,3814 ccw(c1849.66,3823.66) 1849.66,3810 1993,3810 2000.27,3802.73 cw(c1969.54,3772) 2013,3772 ccw(c2017.83,3772) 2014.41,3768.59 2020,3763
SYS on Top Layer "Top Layer-No Net" (solid, pour order 15): 2026.29,3766.04 ccw(c1941.8,3766.04) 2001.55,3825.79 1968.29,3859.04 cw(c1980.36,3871.11) 1963.29,3871.11 1963.29,4147.04 cw(c1992.26,4118.07) 1992.26,4159.04 2129.29,4159.04 2129.86,4158.48 cw(c2097.42,4126.04) 2143.29,4126.04 2143.29,4107.26 cw(c2092.08,4107.26) 2128.29,4071.04 cw(c2121.05,4078.28) 2121.05,4068.04 2075.29,4068.04 ccw(c2075.29,4041.49) 2056.52,4060.26 2051.29,4055.04 ccw(c2058.54,4047.8) 2048.29,4047.8 2048.29,3811.04 2048.29,3803.67 cw(c1993.67,3803.67) 2032.29,3765.04
VIN on Top Layer "Top Layer-No Net" (solid, pour order 16): 2052.65,3758.92 2052.65,3904.81 cw(c2127.76,3904.81) 2074.65,3957.92 cw(c2084.3,3948.26) 2084.3,3961.92 2264.65,3961.92 2273.92,3952.65 cw(c2243.19,3921.92) 2286.65,3921.92 cw(c2228.7,3921.92) 2269.68,3880.95 2268.65,3879.92 cw(c2261.4,3887.16) 2261.4,3876.92 2115.65,3876.92
Net*9_2 on Top Layer "Top Layer-No Net" (solid, pour order 17): 1709,4261 cw(c1752.46,4261) 1721.73,4291.73 1809,4379 ccw(c1792.1,4395.9) 1816,4395.9 1816,4533 1812.07,4536.93 ccw(c1795,4519.86) 1795,4544 ccw(c1795,4519.86) 1777.93,4536.93 1773,4532 ccw(c1775.41,4529.59) 1772,4529.59 1772,4452 cw(c1738.2,4485.8) 1738.2,4438 1709,4438 1686.97,4438 cw(c1686.97,4478.97) 1658,4450
Net*9_3 on Top Layer "Top Layer-No Net" (solid, pour order 18): 1833.58,4517 1833.58,4433.42 ccw(c1933.58,4433.42) 1862.87,4362.71 1888.58,4337 1894.29,4331.29 ccw(c1965,4402) 1965,4302 2115.58,4302 ccw(c2103.51,4314.07) 2120.58,4314.07 2120.58,4402 2113.87,4408.71 ccw(c2043.16,4338) 2043.16,4438 1941.58,4438 cw(c1941.58,4527.33) 1878.42,4464.16 1862.58,4480 cw(c1869.82,4487.24) 1859.58,4487.24 1859.58,4517 ccw(c1857.16,4517) 1858.87,4518.71 1849.58,4528
ADAPTER_GND on Top Layer "Top Layer-No Net" (solid, pour order 19): 3799,3832 ccw(c3835.21,3868.21) 3835.21,3817 3910,3817 3938.71,3845.71 ccw(c3868,3916.42) 3968,3916.42 3968,4055 ccw(c3931.79,4018.79) 3931.79,4070 3931,4070 3889.73,4070 ccw(c3889.73,4039.27) 3868,4061 3830.29,4023.29 ccw(c3901,3952.58) 3801,3952.58 3801,3862
Net*8_5 on Top Layer "Top Layer-No Net" (solid, pour order 20): 3710,3443 3861.58,3443 ccw(c3861.58,3543) 3932.29,3472.29 4048,3588 ccw(c4038.34,3597.66) 4052,3597.66 4052,3862 ccw(c4006.13,3862) 4038.57,3894.43 4030,3903 4028.44,3903 ccw(c4028.44,3804.4) 3958.72,3874.12 ccw(c4011.15,3821.69) 3937,3821.69 3937,3714 cw(c3886.3,3764.7) 3886.3,3693 3757,3693 ccw(c3757,3659.2) 3733.1,3683.1 3712,3662 ccw(c3760.28,3613.72) 3692,3613.72 3692,3466 ccw(c3704.07,3466) 3695.54,3457.46 3709,3444
ADAPTER_GND on Top Layer "Top Layer-No Net" (solid, remove dead copper, pour order 22): 3627,4877 3523,4877 ccw(c3523,4777) 3423,4777 3423,3253 3423,3060 ccw(c3523,3060) 3523,2960 3983,2960 4073,2960 ccw(c4073,3060) 4173,3060 4173,4707 4173,4777 ccw(c4073,4777) 4073,4877 3627,4877
WIRELESS_GND on Top Layer "Top Layer-No Net" (solid, pour order 24): 1300,4813 1300,4346 ccw(c1400,4346) 1400,4246 1835,4246 2519,4246 ccw(c2519,4346) 2619,4346 2619,4613 2619,4743 ccw(c2519,4743) 2519,4843 1398,4843 1328,4843 ccw(c1328,4813) 1298,4813
AGND on Bottom Layer "Top Layer-No Net" (solid, pour order 25): 1274,4315 1274,2926 ccw(c1374,2926) 1374,2826 2283,2826 3140,2826 ccw(c3140,2926) 3240,2926 3240,4102 3240,4327 ccw(c3140,4327) 3140,4427 1390,4427 1376,4427 ccw(c1376,4327) 1276,4327 1276,4303
ADAPTER_GND on Bottom Layer "Top Layer-No Net" (solid, pour order 21): 3627,4877 3523,4877 ccw(c3523,4777) 3423,4777 3423,3253 3423,3060 ccw(c3523,3060) 3523,2960 3983,2960 4073,2960 ccw(c4073,3060) 4173,3060 4173,4707 4173,4777 ccw(c4073,4777) 4073,4877 3627,4877
WIRELESS_GND on Bottom Layer "Top Layer-No Net" (solid, pour order 23): 1301,4815 1301,4348 ccw(c1401,4348) 1401,4248 1836,4248 2520,4248 ccw(c2520,4348) 2620,4348 2620,4615 2620,4745 ccw(c2520,4745) 2520,4845 1399,4845 1329,4845 ccw(c1329,4815) 1299,4815

## Keep-outs
Keep-Out Layer:
  the board outline again, w10

## Other copper
Top Layer:
  rectangle net NetC20_2: 2124,3426 2263,3559
  text "画的什么玩意" at 1746,2502 h196.85
  text "注意检流电阻走线" at 1746,2259 h150
  text "主电流走向最好一马平川，少拐弯" at 1692,2028 h150
  text "3169的地和二极管地打过孔" at 1710,1803 h150

## Silkscreen, mask and mechanical layers (free items; w line width, h text height)
Top Overlay:
  lines w7.87: 1335.72,3589.58 1354,3567 ; 1335.72,3656.42 1354,3679 ; 1372.28,3589.58 1354,3567 ; 1372.28,3656.42 1354,3679 ; 1354,3567 1354,3679
  lines w10: 1318,4235 1440,4235 ; 1817,4251 2062,4251 ; 1863,4058 1863,4160 1899,4196 1971,4196 ; 1884,4176 1953,4176 1977,4200 1953.76,4223.24 1895.5,4223.24 ; 2337,3924 2301,3960 ; 2337,3996 2301,3960 ; 2361.8,4189.61 2443.83,4107.59 ; 2371,4210 2611,4210 2712,4311 ; 2392.92,4107.59 2443.83,4107.59 ; 2417,3960 2301,3960 ; 2443.83,4158.5 2443.83,4107.59
  text "+" at 2437,4637 h100
  text "+" at 2022,4164 h100
  text "NTC" at 2672,3580 h100
  text "+" at 2921,3497 h100
Bottom Overlay:
  lines w10: 1679,3515 1643,3551 ; 1679,3587 1643,3551 ; 1759,3551 1643,3551 ; 2541,4103 2577,4067 ; 2577,4183 2577,4067 ; 2613,4103 2577,4067 ; 2693.59,3709.92 2693.59,3760.83 ; 2744.5,3760.83 2693.59,3760.83 ; 2775.61,3678.8 2693.59,3760.83
Top Solder:
  rectangle: 1758,4600 1896,4631
  lines w10: 2593.86,4026.55 ccw(c2618.02,4071.27) 2668,4062 ; 2621.67,4195.54 ccw(c2614.3,4094.57) 2713.55,4114.52 2793,4114.52 2793,4195.54 2621.67,4195.54

## Text inside footprints (layer, text, board x,y; h text height)
BT1: Top Overlay "+" at 1439.72,3749.51 h40 r90
USB1: Top Overlay "USB-A" at 3253.97,4136.04 h40 r270; Top Overlay "VCC" at 2922,3841 h40; Top Overlay "D-" at 2922,3931 h40; Top Overlay "D+" at 2922,4021 h40; Top Overlay "GND" at 2922,4121 h40